# Altium PCB EL2086.PcbDoc (part 2 of 4) (continued)
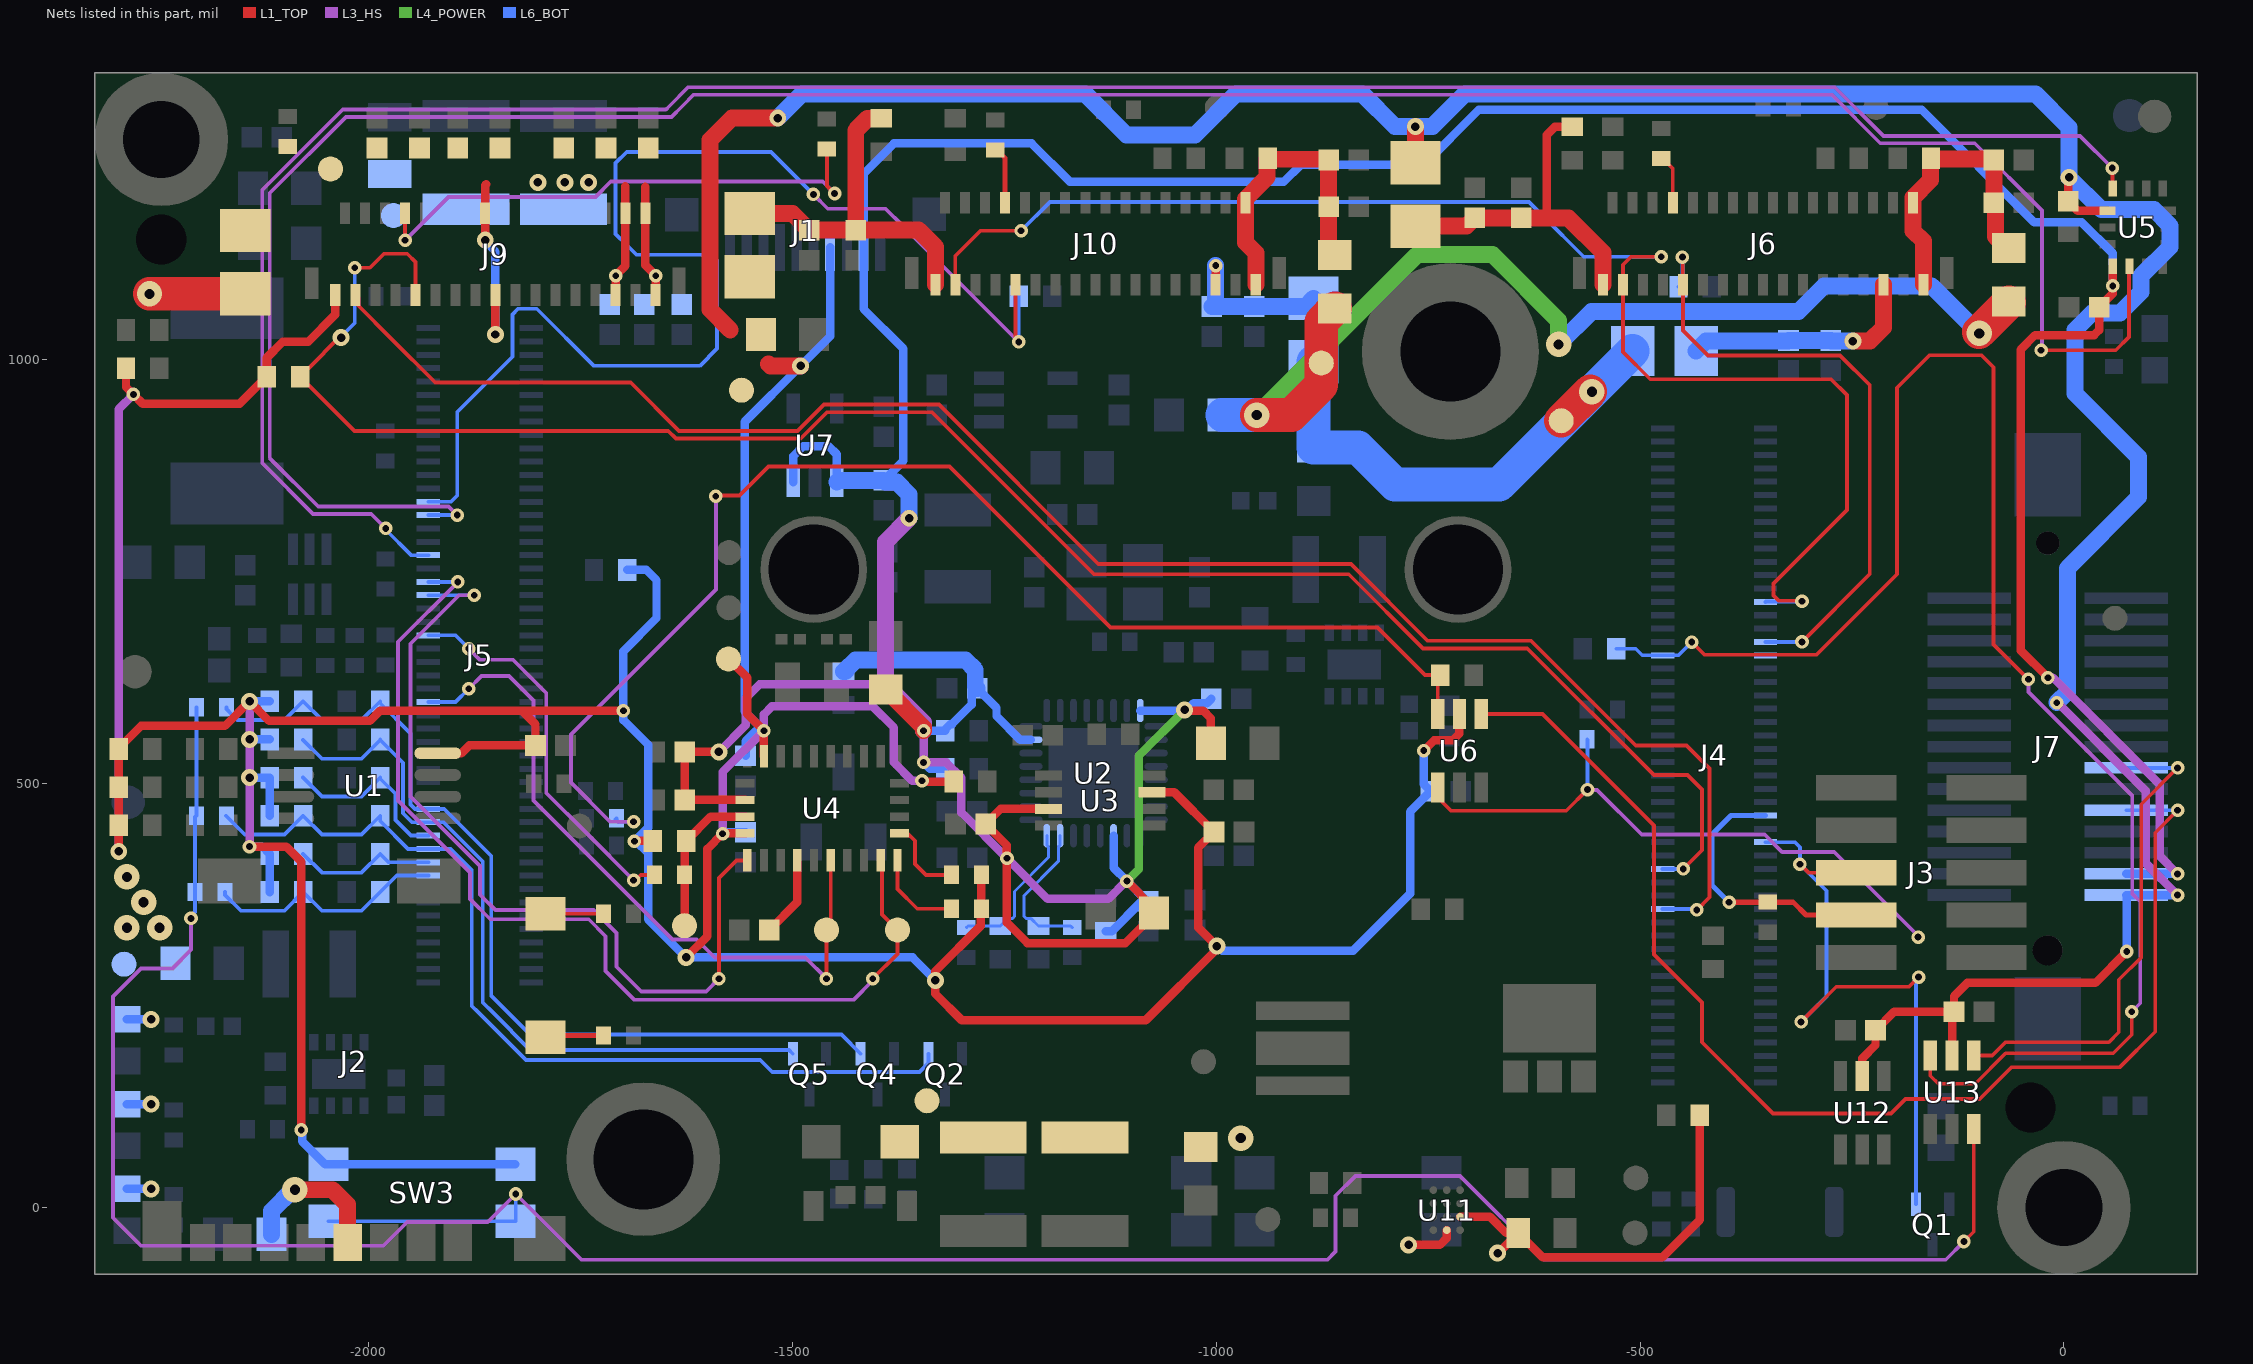
[diagram p6: the nets of this part, all layers, seen from the top]
## Part data (continued)
Q6: library part CMP-074-000000-3, "TRANS PREBIAS NPN 200MW SOT23-3", Case/Package=SOT-23-3, Continuous Drain Current=100mA, Manufacturer 1=Diodes, Max Drain to Source Voltage=50V, Design Item ID=DDTC114YCA-7-F, Manufacturer Part Number 1=DDTC114YCA-7-F
R1 R2 R10 R17 R18 R19 R26 R28 R48 R59 R60 R62 R63 R72 R73 R96 R97 R107 R108 R113 R114 R123 R128 R130: library part CMP-013-000022-11, "RES SMD 0 OHM 5% 1/16W 0402", Case/Package=0402, Manufacturer 1=Vishay, Max Operating Temperature=155°C, Min Operating Temperature=-55°C, Power Rating=63mW, Tolerance=5%, Voltage Rating=50V, Design Item ID=CRCW04020000Z0ED, Manufacturer Part Number 1=CRCW04020000Z0ED
R3 R4 R9 R32: library part CMP-013-000004-10, "RES SMD 1K OHM 1% 1/16W 0402", Case/Package=0402, Manufacturer 1=Yageo, Max Operating Temperature=155°C, Min Operating Temperature=-55°C, Power Rating=62.5mW, Tolerance=1%, Voltage Rating=50V, Design Item ID=RC0402FR-071KL, Manufacturer Part Number 1=RC0402FR-071KL
R5: library part CMP-009-00197-8, "RES SMD 750 OHM 1% 0.1W 0402", Case/Package=0402, Manufacturer 1=Panasonic, Power Rating=100mW, Tolerance=1%, Manufacturer Part Number 1=ERJ-2RKF7500X
R6: library part CMP-009-00198-15, "RES SMD 1.2K OHM 1% 0.063W 0402", Case/Package=0402, Manufacturer 1=Vishay, Power Rating=63mW, Tolerance=1%, Voltage Rating=50V, Manufacturer Part Number 1=CRCW04021K20FKED
R7: library part CMP-009-00196-8, "RES SMD 150 OHM 1% 1/16W 0402", Case/Package=0402, Manufacturer 1=Yageo, Tolerance=1%, Voltage Rating=50V, Manufacturer Part Number 1=RC0402FR-07150RL
R8 R56 R57: library part CMP-013-000029-9, "RES SMD 470 OHM 1% 1/16W 0402", Case/Package=0402, Manufacturer 1=Vishay, Max Operating Temperature=155°C, Min Operating Temperature=-55°C, Power Rating=63mW, Tolerance=1%, Voltage Rating=50V, Design Item ID=CRCW0402470RFKED, Manufacturer Part Number 1=CRCW0402470RFKED
R11 R12 R13 R14 R15 R16 R20 R21 R22 R23 R24 R25 R27 R29 R30 R31 R33 R34 R35 R40 R41 R42 R43 R44 R47 R51 R52 R53 R54 R55 R61 R74 R75 R78 R80 R93 R94 R95 R120 R121 R122 R131: library part CMP-115-000004-8, "RES SMD 10K OHM 1% 1/16W 0402", Case/Package=0402, Manufacturer 1=Yageo, Max Operating Temperature=155°C, Min Operating Temperature=-55°C, Power Rating=62.5mW, Temperature Coefficient=100ppm/°C, Tolerance=1%, Voltage Rating=50V, Design Item ID=RC0402FR-1310KL, Manufacturer Part Number 1=RC0402FR-1310KL
R36 R37: library part CMP-013-000012-8, "RES SMD 22 OHM 1% 1/16W 0402", Case/Package=0402, Manufacturer 1=Yageo, Max Operating Temperature=155°C, Min Operating Temperature=-55°C, Power Rating=62.5mW, Tolerance=1%, Design Item ID=RC0402FR-0722RL, Manufacturer Part Number 1=RC0402FR-0722RL
R38 R39: library part CMP-115-000016-6, "RES SMD 49.9 OHM 1% 1/16W 0402", Case/Package=0402, Manufacturer 1=Yageo, Max Operating Temperature=155°C, Min Operating Temperature=-55°C, Power Rating=62.5mW, Temperature Coefficient=100ppm/°C, Tolerance=1%, Voltage Rating=50V, Design Item ID=RC0402FR-0749R9L, Manufacturer Part Number 1=RC0402FR-0749R9L
R45: library part CMP-013-000005-8, "RES SMD 1M OHM 1% 1/16W 0402", Case/Package=0402, Manufacturer 1=Yageo, Max Operating Temperature=155°C, Min Operating Temperature=-55°C, Power Rating=63mW, Tolerance=1%, Voltage Rating=50V, Design Item ID=RC0402FR-071ML, Manufacturer Part Number 1=RC0402FR-071ML
R46: library part CMP-115-000015-6, "RES SMD 2.49K OHM 1% 1/16W 0402", Case/Package=0402, Manufacturer 1=Yageo, Max Operating Temperature=155°C, Min Operating Temperature=-55°C, Power Rating=62.5mW, Temperature Coefficient=100ppm/°C, Tolerance=1%, Voltage Rating=50V, Design Item ID=RC0402FR-072K49L, Manufacturer Part Number 1=RC0402FR-072K49L
R49 R50: library part CMP-013-000013-8, "RES SMD 2.2K OHM 1% 1/16W 0402", Case/Package=0402, Manufacturer 1=Yageo, Max Operating Temperature=155°C, Min Operating Temperature=-55°C, Power Rating=63mW, Tolerance=1%, Voltage Rating=50V, Design Item ID=RC0402FR-072K2L, Manufacturer Part Number 1=RC0402FR-072K2L
R58 R64 R65 R66 R69 R129: library part CMP-115-000011-7, "RES SMD 0 OHM 5% 1/10W 0603", Case/Package=0603, Manufacturer 1=Vishay, Manufacturer Part Number 1=CRCW0603-0000Z0EA, Max Operating Temperature=155°C, Min Operating Temperature=-55°C, Power Rating=100mW, Temperature Coefficient=100ppm/°C, Tolerance=5%, Voltage Rating=75V, Design Item ID=CRCW06030000Z0EA
R67 R77: library part CMP-013-000049-8, "RES SMD 300K OHM 1% 1/16W 0402", Case/Package=0402, Manufacturer 1=Yageo, Max Operating Temperature=155°C, Min Operating Temperature=-55°C, Power Rating=63mW, Tolerance=1%, Voltage Rating=50V, Design Item ID=RC0402FR-07300KL, Manufacturer Part Number 1=RC0402FR-07300KL
R68: library part CMP-013-000015-9, "RES SMD 47K OHM 1% 1/16W 0402", Case/Package=0402, Manufacturer 1=Yageo, Max Operating Temperature=155°C, Min Operating Temperature=-55°C, Power Rating=62.5mW, Tolerance=1%, Voltage Rating=50V, Design Item ID=RC0402FR-0747KL, Manufacturer Part Number 1=RC0402FR-0747KL
R70: library part CMP-013-000017-11, "RES SMD 56K OHM 1% 1/16W 0402", Case/Package=0402, Manufacturer 1=Yageo, Max Operating Temperature=155°C, Min Operating Temperature=-55°C, Power Rating=62.5mW, Tolerance=1%, Voltage Rating=50V, Manufacturer Part Number 1=RC0402FR-0756KL
R71: library part CMP-009-00229-8, "RES SMD 33K OHM 1% 0.1W 0603", Case/Package=0603, Manufacturer 1=Yageo, Power Rating=100mW, Tolerance=1%, Voltage Rating=75V, Manufacturer Part Number 1=RC0603FR-0733KL, Mounting Technology=SMD, Pins=2
R76: library part CMP-013-000034-9, "RES SMD 0 OHM 1% 1/8W 0805", Case/Package=0805, Manufacturer 1=Vishay, Max Operating Temperature=155°C, Min Operating Temperature=-55°C, Power Rating=125mW, Design Item ID=CRCW08050000Z0EA, Manufacturer Part Number 1=CRCW08050000Z0EA
R79: library part CMP-013-000051-9, "RES SMD 360K OHM 1% 1/16W 0402", Case/Package=0402, Manufacturer 1=Yageo, Max Operating Temperature=155°C, Min Operating Temperature=-55°C, Power Rating=62.5mW, Tolerance=1%, Design Item ID=RC0402FR-07360KL, Manufacturer Part Number 1=RC0402FR-07360KL
R124: library part CMP-013-000011-9, "RES SMD 20K OHM 1% 1/16W 0402", Case/Package=0402, Manufacturer 1=Yageo, Max Operating Temperature=155°C, Min Operating Temperature=-55°C, Power Rating=62.5mW, Tolerance=1%, Voltage Rating=50V, Design Item ID=RC0402FR-0720KL, Manufacturer Part Number 1=RC0402FR-0720KL
R125: library part CMP-013-000035-8, "RES SMD 100K OHM 1% 1/16W 0402", Case/Package=0402, Manufacturer 1=Yageo, Max Operating Temperature=155°C, Min Operating Temperature=-55°C, Power Rating=63mW, Tolerance=1%, Voltage Rating=50V, Design Item ID=RC0402FR-07100KL, Manufacturer Part Number 1=RC0402FR-07100KL
R126: library part CMP-013-000025-8, "RES SMD 33K OHM 1% 1/16W 0402", Case/Package=0402, Manufacturer 1=Vishay, Max Operating Temperature=155°C, Min Operating Temperature=-55°C, Power Rating=63mW, Tolerance=1%, Voltage Rating=50V, Design Item ID=CRCW040233K0FKED, Manufacturer Part Number 1=CRCW040233K0FKED
R127: library part CMP-013-000045-8, "RES SMD 22.1K OHM 1% 1/16W 0402", Case/Package=0402, Manufacturer 1=Yageo, Max Operating Temperature=155°C, Min Operating Temperature=-55°C, Power Rating=62.5mW, Tolerance=1%, Voltage Rating=50V, Design Item ID=RC0402FR-0722K1L, Manufacturer Part Number 1=RC0402FR-0722K1L
SW1 SW2 SW3: library part CMP-011-00016-3, "Keypad Switch, 1 Switches, SPST, Momentary-tactile, 0.05A, 12VDC, 2.65N, Solder Terminal, Surface Mount-right Angle", Current Rating=50mA, Manufacturer 1="Wurth Electronics", Supplier Part Number 1=732-7055-2-ND, Voltage Rating=12V, Case/Package=434331045822, Manufacturer Part Number 1=434331045822, Max Current Rating=50mA, Mounting Technology=SMD, Pins=4, Supplier 1=Digi-Key, Throw Configuration=SPST-NO
TP1 TP2 TP3 TP5 TP13 TP14 TP18 TP19 TP23 TP35: library part TEST_POINT
TP4 TP6 TP7 TP10 TP11 TP12 TP20 TP24 TP25 TP36 TP37: library part CMP-015-000000-2, Manufacturer Part Number 1=/, Design Item ID=TEST_POINT, Source=LuxonisMaster.SchLib
U1: library part 24AA32A-I/MS, "IC EEPROM 32K I2C 400KHZ 8MSOP Memory IC 32Kb (4K x 8) I²C 400kHz 900ns 8-MSOP", Case/Package=MSOP, Frequency=400kHz, Manufacturer 1=Microchip, Max Operating Temperature=85°C, Max Supply Voltage=5.5V, Min Operating Temperature=-40°C, Min Supply Voltage=1.7V, Nominal Supply Current=3mA, Package Quantity=100, Supplier Part Number 1=24AA32A-I/MS-ND, Access Time=3500ns, ComponentLink1Description=https://datasheet.ciiva.com/16309/filehandler-aspxddocname-en011853-16309808.pdf?src-supplier=Future+Electronics, ComponentLink1URL=https://datasheet.ciiva.com/16309/filehandler-aspxddocname-en011853-16309808.pdf?src-supplier=Future+Electronics, ComponentLink2Description=https://datasheet.ciiva.com/16621/21713l-16621382.pdf?src-supplier=Avnet+Europe, ComponentLink2URL=https://datasheet.ciiva.com/16621/21713l-16621382.pdf?src-supplier=Avnet+Europe, ComponentLink3Description=https://datasheet.ciiva.com/3185/21713l-3185209.pdf?src-supplier=Avnet, ComponentLink3URL=https://datasheet.ciiva.com/3185/21713l-3185209.pdf?src-supplier=Avnet, ComponentLink4Description=https://datasheet.ciiva.com/1154/1688094-1154810.pdf?src-supplier=Element14, ComponentLink4URL=https://datasheet.ciiva.com/1154/1688094-1154810.pdf?src-supplier=Element14, ComponentLink5Description=https://datasheet.ciiva.com/41454/001085239-da-01-en-ic-eeprom-32kbit-24aa32a-i-ms-msop-8-mcp-41454934.pdf?src-supplier=Conrad, ComponentLink5URL=https://datasheet.ciiva.com/41454/001085239-da-01-en-ic-eeprom-32kbit-24aa32a-i-ms-msop-8-mcp-41454934.pdf?src-supplier=Conrad, Contact Plating=Tin,Matte, Density=32Kb, Height=0.85mm, Interface=I2C,Serial,2-Wire, Lead Free="Lead Free", Length=3mm, Manufacturer Part Number 1=24AA32A-I/MS, Max Frequency=400kHz, Memory Size=32Kb, Memory Type=EEPROM, Mount="Surface Mount", Number of Pins=8, Packaging=Rail/Tube, Pricing 1="1=0.39000, 25=0.38120, 100=0.36050 (USD)", Radiation Hardening=No, REACH SVHC="No SVHC", RoHS=Yes, Stock 1=4213, Supplier 1=Digi-Key, Supplier 2=Mouser, Supplier 3=Newark, Supplier Part Number 2=579-24AA32A-I/MS, Supplier Part Number 3=38AH9658, Width=3mm
U2: library part RTL8111HS, "IC ETHERNET/PCIe PHY Realtek", Manufacturer 1=Realtek, Manufacturer Part Number 1=RTL8111HS-CG, Supplier 1="Symmetry Electronics", Supplier 2="Future Electronics", Supplier Part Number 1=RTL8111HS-CG, Supplier Part Number 2=RTL8111HS-CG
U3: library part CMP-113-000005-2, "TEXAS INSTRUMENTS - TXS0102DCUR - IC, TRANSLATOR, 2 BIT, BI, US-8", Case/Package=VSSOP, Manufacturer 1="Texas Instruments", Max Operating Temperature=85°C, Max Output Current=1A, Max Supply Voltage=5.5V, Min Operating Temperature=-40°C, Min Supply Voltage=1.65V, Manufacturer Part Number 1=TXS0102DCUR, Pins=8
U4: library part CMP-016-000000-2, "IMU ACCEL/GYRO/MAG I2C 32BIT", Case/Package=LGA, Manufacturer 1="Hillcrest Laboratories", Manufacturer Part Number 1=BNO085, Sensor Type=Accelerometer,Gyroscope,Magnetometer
U5: "Accelerometer, Gyroscope, 6 Axis Sensor IÂ²C, SPI Output", Manufacturer 1="Bosch Sensortec", Package="LGA-14 Bosch Sensortec", Availability=Unavailable, Manufacturer Part Number 1=BMI270, Price=None, SnapEDA_Link=https://www.snapeda.com/parts/BMI270/Bosch%20Sensortec/view-part/3595167/?ref=snap
U6 U12 U13: library part CMP-010-000023-2, "IC SWITCH SPDT SC70-6 1 Circuit IC Switch 2:1 15Ohm SC-70-6", Case/Package=SC, Manufacturer 1="Texas Instruments", Max Operating Temperature=125°C, Min Operating Temperature=-40°C, Manufacturer Part Number 1=SN74LVC1G3157DCKR
U7: library part CMP-113-000003-2, "IC REG LINEAR 1.8V 200MA SC70-5 Linear Voltage Regulator IC  1 Output  200mA SC-70-5", Case/Package=SC, Manufacturer 1="Texas Instruments", Manufacturer Part Number 1=TLV70018DCKR, Max Operating Temperature=125°C, Max Output Current=200mA, Max Output Voltage=1.8V, Max Supply Voltage=5.5V, Min Operating Temperature=-40°C, Min Supply Voltage=2V, Min Output Voltage=1.8V, Pins=5
U8 U10: library part CMP-010-000007-3, "IC REG BUCK ADJ 1.2A SYNC 8WSON", Manufacturer 1="Texas Instruments", Manufacturer Part Number 1=TLV62080DSGR, Max Operating Temperature=125°C, Max Output Current=1.2A, Max Output Voltage=4V, Max Supply Voltage=5.5V, Min Operating Temperature=-40°C, Min Output Voltage=500mV, Min Supply Voltage=2.5V, Output Voltage=4V, Vfb/Vout=0V
U9: library part CMP-055-000001-3, "IC REG LINEAR 2.8V 200MA SC70-5 Linear Voltage Regulator IC  1 Output  200mA SC-70-5", Case/Package=SC, Manufacturer 1="Texas Instruments", Manufacturer Part Number 1=TLV70028DCKT, Max Operating Temperature=125°C, Max Output Current=200mA, Max Output Voltage=2.8V, Max Supply Voltage=5.5V, Min Operating Temperature=-40°C, Min Supply Voltage=2V, Min Output Voltage=2.8V, Pins=5
U11: library part CMP-006-000006-2, "LED Driver, 2-Segment, PBGA12", Manufacturer 1="Texas Instruments", Max Operating Temperature=85°C, Max Supply Voltage=5.5V, Min Operating Temperature=-40°C, Min Supply Voltage=2.5V, Package Body Material=Plastic, Package Code=VFBGA, Package Shape=Rectangular, Package Style="GRID ARRAY, VERY THIN PROFILE, FINE PITCHMeter", Peak Reflow Temperature (Cel)=260°C, Supply Voltage-Nom=3.6V, Temperature Grade=INDUSTRIAL, Category="LED Drivers", ComponentLink1Description=https://www.ti.com:443/lit/ds/symlink/lm3644.pdf?src-supplier=IHS+Markit, ComponentLink1URL=https://www.ti.com:443/lit/ds/symlink/lm3644.pdf?src-supplier=IHS+Markit, ComponentLink2Description=https://datasheet.ciiva.com/48475/lm3644-48475318.pdf?src-supplier=Avnet, ComponentLink2URL=https://datasheet.ciiva.com/48475/lm3644-48475318.pdf?src-supplier=Avnet, Data Input Mode=SERIAL, Design Item ID=LM3644, Height - Seated (Max)=0.625mm, Interface IC Type="LED DISPLAY DRIVER", JESD-609 Code=e1, Length=1.66mm, Manufacturer Part Number 1=LM3644YFFR, Moisture Sensitivity Level=1, Multiplexed Display Capability=No, Number of Functions=1, Number of Pins=12, Number of Segments=2, Pricing 1="1=0,64580, 10=0,63600, 25=0,62590, 100=0,61590, 250=0,60610, 500=0,59600, 1000=0,58600, 3000=0,35000, 30000=0,34520, 300000=0,31610, 1500000=0,29870, 3000000=0,29850 (USD)", REACH SVHC=Yes, RoHS=Yes, RoHS Compliant=Yes, Source=DM9098.SchLib, Stock 1=2033, Surface Mount=Yes, Terminal Finish=Copper, Terminal Form=Ball, Terminal Pitch=0.4mm, Terminal Position=BOTTOM, Width=1.28mm
U22: library part CMP-019-00082-1, "3-V to 16-V input voltage, 4-A FCCM mode, synchronous buck converter in SOT-563 package 6-SOT-5X3 -40 to 125", Case/Package=SOT-563, Frequency=1.2MHz, Manufacturer 1="Texas Instruments", Max Operating Temperature=125°C, Max Output Current=4A, Max Supply Voltage=16V, Min Operating Temperature=-40°C, Min Supply Voltage=3V, Manufacturer Part Number 1=TPS564247DRLR, Pins=6, Vfb/Vout=650mV
X1: library part CMP-006-000002-2, "CRYSTAL 25.0000MHZ 18PF SMD 25MHz ±10ppm Crystal 18pF 50 Ohms 4-SMD, No Lead", Frequency=25MHz, Manufacturer 1="ECS International", Manufacturer Part Number 1=ECS-250-18-36B-CKY-TR
Y1: library part CMP-006-000001-2, "CRYSTAL 32.768kHz ±20ppm Crystal 12.5pF 90 kOhms 2-SMD, No Lead", Case/Package=SMD/SMT, Frequency=32.768kHz, Manufacturer 1=Abracon, Max Operating Temperature=85°C, Min Operating Temperature=-40°C, Tolerance=20ppm, Manufacturer Part Number 1=ABS06-127-32.768KHZ-T

## Free pads (board coordinates)
  round 125.98 hole 106.3 mask+4: 4(-714.57,752.42) 5(-1474.57,752.42)
  round 0 hole 59.06 unplated mask+4: ""(-2244.09,1141.73) ""(-39.37,118.11)
  round 157.48 hole 90.55 mask+4: ""(-2244.09,1259.84) ""(0,0)

## Via types
v1: diameter 16, hole 8, L1_TOP to L6_BOT, tented both sides, 345 vias
v2: diameter 20, hole 10, L1_TOP to L6_BOT, tented both sides, 147 vias
v3: diameter 30, hole 12, L1_TOP to L6_BOT, tented both sides, 34 vias
v4: diameter 20, hole 10, L1_TOP to L6_BOT, 8 vias

## Nets (pads, with @x,y where several pads share a name; then routed paths per layer and width w, separated by ;. In a path a pad name is that pad's centre, name@x,y a point inside that pad or via, vN(x,y) a via of type N, cw(c..) or ccw(c..) an arc to the next point about the centre after c; other vN are vias at no path point)
1V2: FB3.1 FB5.1 R69.2 TP14.1 | length 609.1
  L1_TOP w40: TP14.1@-593,928 v3@-558.74,962.26
  L6_BOT w40: FB5.1@-885,997.6 R69.2@-885,896.5 -832.5,896.5 -789,853 -666.07,853 v3(-556.82,962.26) FB3.1@-508.65,1010.43
1V2_L: C32.2 C33.2 FB3.2 J6.29 | length 282.4
  L1_TOP w20: v2(-249,1022) -229,1022 -213,1038 -213,1088.41 J6.29@-213.08,1088.49
  L6_BOT w20: FB3.2@-433.85,1010.43 -422.27,1022 C32.2@-325.72,1022 ; C32.2@-325,1022.72 C33.2@-275,1022.72 -274.28,1022 v2(-249,1022)
1V2_R: C105.2 C106.2 FB5.2 J10.29 | length 196.7
  L1_TOP w10: J10.29@-1000.48,1088.49 v1(-1000.48,1111)
  L6_BOT w20: v1(-1000.48,1111) -1000.48,1067.24 C106.2@-1005,1062.72 C105.2@-955,1062.72 -894.68,1062.72 FB5.2@-885,1072.4
1V8: C2.2 C19.2 C25.2 C26.2 C31.2 C38.2 C39.2 C50.2 FB1.1 FB2.1 J1.7 J7.30 J9.1 R11.2 R12.2 R13.2 R14.2 R15.2 R16.2 R27.2 R29.2 R30.2 R31.2 R44.1 R47.2 R49.1 R50.1 R64.2 R93.1 R94.1 SW3.1 SW3.3 TP18.1 TP24.1 U1.8 U3.3 U4.5 U4.28 U5.5 U6.5 U12.5 U13.5 | length 10367.9
  L1_TOP w10: v2(-2294.25,420) R31.2@-2294.25,450.81 R30.2@-2294.25,495.81 -2294.25,542.78 -2288.43,548.6 -2287.4,548.6 -2268,568 -2169.11,568 v2(-2140,597.11) -2116.89,574 -1998,574 -1986,586 -1818.71,586 ; R94.1@-2285.69,990 -2285.69,967.69 v1(-2277,959) -2266,948 -2151.69,948 R93.1@-2119.69,980 -2119.69,1002.31 -2101,1021 -2071,1021 -2038.89,1053.11 J9.1@-2038.89,1076.4 ; v1(-2140,425.75) -2096.75,425.75 -2079,408 v1(-2079,91.5) ; U1.8@-1917.95,535.81 -1890.01,535.81 -1880.81,545 C2.2@-1802.71,545 -1802.71,570 -1818.71,586 ; v1(-1699,586) -1818.71,586 ; v1(-1686,432) -1685.58,432.42 R47.2@-1664.25,432.42 ; v2(-1625,295) -1600,320 -1600,423 v1(-1582,441) -1581.62,441.38 U4.5@-1555.45,441.38 ; TP24.1@-1575,647 -1553,625 -1553,582.11 v1(-1533.31,562.42) U4.28@-1533.31,532.42 ; v1(-1346.89,503.3) -1346.01,502.42 R44.1@-1309.25,502.42 ; R50.1@-1276.85,392.42 R49.1@-1276.85,352.42 -1277.55,351.72 -1277.55,332.45 -1331,279 v2(-1331,268) -1331,252 -1300,221 -1083,221 -999,305 v2(-999,308.28) -1021,330.28 -1021,424.54 C19.2@-1002.54,443 -1049.39,489.84 U3.3@-1075.67,489.84 ; v1(-755,539) -743,551 -721,551 -713,559 U6.5@-713,582.12 ; U12.5@-238,155.31 -238,176 -222.28,191.72 C50.2@-222.28,209 -200.28,231 C39.2@-129.72,231 ; U13.5@-132,179.31 -132,228.72 C39.2@-129.72,231 ; v2(6,1215) 5,1214 C31.2@5,1186.72 16.03,1175.69 U5.5@51.15,1175.69 ; v1(74,302) 37,265 -114,265 -129.72,249.28 C39.2@-129.72,231
  L1_TOP w20: -1573,1035 -1597,1059 -1597,1259 -1571,1285 v2(-1517,1285) ; -1528,995 -1525.75,992.75 v2(-1490,992.75) ; FB2.1@-765,1232.4 v2(-765,1275)
  L3_HS w10: v2(-2294.25,420) -2294.25,941.75 v1(-2277,959) ; v1(-2140,425.75) v2(-2140,507.11) v2(-2140,597.11) ; v1(-1582,441) -1582,513.73 v1(-1533.31,562.42) -1533.31,581.69 -1524,591 -1405,591 -1380,566 -1380,525 -1358.3,503.3 v1(-1346.89,503.3) ; v1(-8.52,595.48) -7.48,595.48 96.5,491.5 96.5,406.08 v1(134,368.58)
  L6_BOT w10: v2(-2140,507.11) R13.2@-2116.17,507.11 R14.2@-2116.17,462.11 ; v2(-2140,552.11) R12.2@-2116.17,552.11 ; v2(-2140,597.11) R11.2@-2116.17,597.11 ; v1@-2139.75,425.75 -2124.81,425.75 R15.2@-2116.17,417.11 R16.2@-2116.17,372.11 ; v1(-2079,91.5) -2077.85,90.35 -2077.85,78 -2050.74,50.89 SW3.3@-1826.33,50.89 ; R27.2@-1694.31,752 -1672,752 -1660,740 -1660,695.15 -1699,656.15 v1(-1699,586) -1699,575 -1670,546 -1670,447.96 -1685.96,432 -1684,432 -1670,418 -1670,340 v2(-1625,295) -1358,295 v2(-1331,268) ; v1(-1582,441) -1580.28,442.72 C25.2@-1555,442.72 ; C26.2@-1555,532.72 -1555,550 -1542.58,562.42 v1(-1533.31,562.42) -1556,585.11 -1556,926.75 v2(-1490,992.75) -1455.2,1027.55 J1.7@-1455.2,1132.42 ; v2(-999,308.28) -999,309 -993,303 -838.26,303 -771,370.26 -771,467 C38.2@-747,491 -755,499 v1(-755,539) ; J7.30@73.35,368.58 J7.30@78.73,368.58 ; v1(74,302) J7.30@74,367.94 ; J7.30@80.62,368.58 v1(134,368.58)
  L6_BOT w20: v2(-1517,1285) -1488.42,1313.58 -1154.28,1313.58 -1105.7,1265 -1025,1265 -976.42,1313.58 -827.58,1313.58 -789,1275 v2(-765,1275) -745,1275 -706.42,1313.58 -33.58,1313.58 6,1274 v2(6,1215) 44,1177 106,1177 125,1158 125,1133 91,1099 91,1080 66,1055 33,1055 13,1035 13,960 88,885 88,838 4,754 4,608 v1(-8.52,595.48)
1V8_L: C34.2 C35.2 FB2.2 J6.1 R51.2 | length 412.1
  L1_TOP w10: -609.15,1167.23 -610,1168.08 -610,1265 -600.31,1274.69 R51.2@-580,1274.69
  L1_TOP w20: FB2.2@-765,1157.6 -704.64,1157.6 C34.2@-695,1167.23 C35.2@-640,1167.23 -609.15,1167.23 -584.64,1167.23 -543.79,1126.39 J6.1@-543.79,1088.49
1V8_R: C107.2 C108.2 FB1.2 J10.1 R120.2 | length 433.4
  L1_TOP w20: FB1.2@-1550,1172.4 -1499.69,1172.4 C107.2@-1480,1152.72 C108.2@-1425,1152.72 ; R120.2@-1395,1284.69 -1410.88,1284.69 -1425,1270.57 C108.2@-1425,1152.72 ; J10.1@-1331.19,1088.49 -1331.19,1133.19 -1350.72,1152.72 C108.2@-1425,1152.72
2V8: R58.1 R65.2 R129.1 TP19.1 | length 1320.5
  L1_TOP w40: v3(-952,934.7) -911.3,934.7 -876,970 TP19.1@-876,996 -876,1044.62 R129.1@-860,1060.62 ; v3@-100,1032.7 R58.1@-65,1067.7
  L4_POWER w20: v3(-952,934.7) -762.7,1124 -674,1124 -596,1046 v3(-596,1018)
  L6_BOT w20: v3(-596,1018) -557,1057 -313,1057 -283,1087 -156,1087 v3(-100,1031)
  L6_BOT w40: R65.2@-992.61,934.7 v3(-952,934.7)
2V8_L: C36.2 C37.2 J6.32 J6.33 R52.2 R58.2 | length 350.2
  L1_TOP w20: J6.33@-165.84,1088.49 -165.84,1139.84 -177.94,1151.94 -177.94,1191.06 -157.25,1211.75 -157.25,1237.05 R52.2@-156.88,1237.42 -156.88,1237.26 -156.05,1236.44 -83.7,1236.44 C37.2@-82.72,1235.45 C36.2@-82.72,1185.13 -80.51,1182.93 -80.51,1145.04 -66.97,1131.5 R58.2@-65,1131.5
2V8_R: C109.2 C110.2 J10.32 J10.33 R121.2 R129.2 | length 352.4
  L1_TOP w20: J10.33@-953.24,1088.49 -953,1088.73 -953,1126 -965.34,1138.34 -965.34,1189.66 -939.71,1215.29 -939.71,1236.59 R121.2@-938.88,1237.42 -938.88,1237.25 -938.05,1236.42 -868.28,1236.42 C110.2@-867.28,1235.42 -867.28,1130.9 R129.2@-860,1123.61
3V3: C1.1 C3.2 C4.2 C7.2 C8.2 C11.2 C12.2 C20.2 C23.2 C24.2 C30.2 C40.2 D4.2 D18.2 D19.2 FB4.1 J1.9 J2.4 J7.29 R40.2 R41.2 R42.2 R43.2 R66.2 TP5.1 U2.11 U2.23 U2.32 U3.7 U4.3 U5.8 U7.1 U7.3 | length 6155.7
  L1_TOP w10: v2(-1586.36,537.42) C24.2@-1626.85,537.42 C23.2@-1626.85,480.75 U4.3@-1555.45,480.75 ; U3.7@-1197.72,470.16 -1254.11,470.16 C20.2@-1271.85,452.42 -1246.65,427.22 v1(-1246.65,411.96) -1246.65,336.12 -1222.53,312 -1107,312 -1086.26,332.74 -1085.79,332.74 -1073.07,345.45 -1073.07,352.87 v1(-1105.2,385) ; v2(-1037,587) -1036,586 -1015.06,586 -1006.06,577 C8.2@-1006.06,547.42 ; v1(-19,625) -51,657 -51,1012 -34,1029 35.58,1029 41.43,1034.86 C30.2@41.43,1062 57.47,1078.04 v1(57.47,1086.96) 57.47,1110.15 U5.8@57.55,1110.23
  L1_TOP w20: v3(-2086.47,21) -2042,21 -2024.35,3.35 J2.4@-2024.35,-41.18 ; C3.2@-1389.57,610.93 -1345,566.36 v1(-1345,562.42)
  L1_TOP w39.37: v3(-2258,1077.6) FB4.1@-2145,1077.6
  L3_HS w10: v2(-1586.36,537.42) -1555,568.78 -1555,600.54 -1538.54,617 -1390,617 ; v1(-1345,562.42) v1(-1345,525) -1318.5,525 -1300.44,506.94 -1300.44,465.75 v1(-1246.65,411.96) -1198.69,364 -1126.96,364 -1105.96,385 v1(-1105.2,385) ; v1(-19,625) -13,625 113,499 113,414.58 v1(134,393.58)
  L3_HS w20: v2(-1362,813) -1390,785 -1390,617 -1364,591 -1345,572 v1(-1345,562.42)
  L4_POWER w10: v1(-1105.2,385) -1091,399.2 -1091,533 v2(-1037,587)
  L6_BOT w10: D4.2@-2284.57,22.03 v2(-2256,22.03) ; D18.2@-2284.57,122.03 v2(-2256,122.03) ; D19.2@-2284.57,222.03 v2(-2256,222.03) ; U7.3@-1498.59,855.69 -1498.59,886.41 -1487,898 -1457,898 -1447.41,888.41 U7.1@-1447.41,855.69 ; C40.2@-1392,857.72 -1369,880.72 -1369,1013 -1415.83,1059.83 J1.9@-1415.83,1132.42 -1415.83,1219.17 -1380,1255 -1217.56,1255 -1172.56,1210 -920,1210 -900,1230 -755,1230 -690.42,1294.58 -167.58,1294.58 -35,1162 21,1162 57.47,1125.53 v1(57.47,1086.96) ; v1(-1345,525) -1337.42,517.42 R43.2@-1319.25,517.42 ; v1(-1345,562.42) R41.2@-1319.25,562.42 -1319.25,564.39 -1313.43,570.22 -1311.46,570.22 -1288.36,593.31 -1288.36,610.32 C12.2@-1284.05,614.63 ; C12.2@-1281.85,612.42 -1259,589.57 -1259,579.67 -1231.13,551.79 U2.23@-1218.39,551.79 ; R42.2@-1130,325.77 -1123.13,325.77 -1087.69,361.2 C11.2@-1081.4,361.2 ; U2.11@-1120.94,438.6 -1120.94,400.75 v1(-1105.2,385) C11.2@-1081.4,361.2 ; U2.32@-1089.45,586.24 -1037.76,586.24 v2(-1037,587) -1034.29,587 -1026.5,594.79 -1010.93,594.79 C4.2@-1005.73,600 ; C11.2@-1080,361.2 C11.2@-1081.4,361.2 ; J7.29@73.35,393.58 v1(134,393.58)
  L6_BOT w20: C1.1@-2114.07,-31.58 -2114.07,-4.07 -2089,21 v3(-2086.47,21) ; U7.1@-1447.41,855.69 -1445.39,857.72 C40.2@-1392,857.72 -1389.8,855.51 -1376.51,855.51 -1362,841 v2(-1362,813) ; R40.2@-1439.57,632.11 -1437.6,632.11 -1436.77,632.93 -1436.77,634.28 -1425.06,646 -1295.77,646 -1284.05,634.28 -1284.05,614.63 C12.2@-1281.85,612.42
  other v3: -2284.57,330 -2246,330 -2265,360 -2284.57,390
3V3_TOF: C56.2 C57.2 C58.2 C59.2 FB4.2 J9.16 J9.17 R63.1 TP20.1 | length 229.4
  L1_TOP w10: v2(-1862,1141) J9.16@-1862.02,1172.85 -1862.02,1205.98 -1861,1207 ; v2(-1850,1029.7) -1849.92,1029.79 J9.17@-1849.92,1076.4
  L6_BOT w10: v2(-1862,1141) -1862,1139.46 -1850,1127.46 v2(-1850,1029.7)
3V3_VCSEL: C60.2 C61.2 C62.2 C63.2 C64.2 C65.2 C66.1 C67.1 J9.29 J9.30 J9.32 J9.33 R76.2 TP35.1 | length 265.6
  L1_TOP w10: J9.29@-1708.18,1076.4 v1(-1708.18,1098.9) -1708.18,1099.32 -1696.67,1110.84 J9.30@-1696.67,1172.85 -1696.67,1204.67 ; -1673.05,1203.95 J9.32@-1673.05,1172.85 -1673.05,1111.43 -1660.94,1099.32 v1(-1660.94,1098.9) J9.33@-1660.94,1076.4
  other v2: -1800,1209 -1768,1209 -1740,1209
5V_LED: C77.2 C81.1 C82.1 C83.2 L4.2 R77.2 TP4.1 U11.A2 U11.B1 | length 537.3
  L1_TOP w10: v2(-773,-44) -736,-44 -728,-36 U11.A2@-728,-26.62 ; U11.B1@-712.25,-10.87 -677.13,-10.87 -658,-30 C77.2@-643.56,-30 ; v2(-668,-53.74) -668,-54.44 C77.2@-643.56,-30 ; R77.2@-429.57,109 -429.57,-14.57 -473.74,-58.74 -614.82,-58.74 C77.2@-643.56,-30
  other v3: -971,82
2485_PGOOD: J3.5 J4.37 Q1.1 | length 774.7
  L1_TOP w4.5: v1(-311.42,405) -301.42,395 J3.5@-245,395 ; v1(-310,219) -268.5,260.5 -197,260.5 -182.83,260.5 v1(-171.48,271.85)
  L6_BOT w4.5: J4.37@-352.09,430.88 -317.29,430.88 -311.42,425 v1(-311.42,405) -280,373.58 -280,249 v1(-310,219) ; Q1.1@-174.69,4.02 -174.69,76.06 -174.69,268.65 v1(-171.48,271.85)
2485_WAKEUP: J3.7 J4.41 R9.1 | length 316.6
  L1_TOP w6: v1(-395,360.14) R9.1@-349.57,360.14 -347.6,360.14 -319.42,360.14 -304.28,345 J3.7@-245,345
  L6_BOT w6: v1(-395,360.14) -415,380.14 -415,440 -392.63,462.37 J4.41@-352.09,462.37
BMI270_INT_1V8: J5.66 U5.4 | length 2860
  L1_TOP w4.5: v1(57,1226) 57.27,1225.73 57.27,1202.04 U5.4@57.55,1201.77
  L3_HS w4.5: v1(-1979.4,800.96) -1996.44,818 -2065,818 -2125,878 -2125,1200 -2030,1295 -1649,1295 -1645,1299 -1622.67,1321.33 -270.33,1321.33 -213,1264 19,1264 v1(57,1226)
  L6_BOT w4.5: v1(-1979.4,800.96) -1979.4,799.4 -1949.46,769.46 J5.66@-1929.05,769.46
BMI270_WAKE_1V8: J5.72 U5.9 | length 3149.6
  L1_TOP w4.5: v1(-27,1011.1) 61.1,1011.1 76.62,1026.62 76.62,1109.62 U5.9@77.23,1110.23
  L3_HS w4.5: v1(-1895,816.7) -1905.3,827 -2059,827 -2116.25,884.25 -2116.25,1196.38 -2026.38,1286.25 -1642.42,1286.25 -1629.67,1299 -1616.08,1312.58 -273.96,1312.58 -216.62,1255.25 -105.25,1255.25 -26,1176 -26,1012.1 v1(-27,1011.1)
  L6_BOT w4.5: J5.72@-1929.05,816.7 v1(-1895,816.7)
BNO08x_BOOTN_1V8: J5.54 R48.2 | length 458.2
  L1_TOP w4.5: v1(-1687,386) -1684.99,386 -1678.57,392.42 R48.2@-1662.28,392.42
  L3_HS w4.5: v1(-1881.5,659.22) -1868.27,646 -1829,646 -1790,607 -1790,489 -1742,441 v1(-1687,386)
  L6_BOT w4.5: J5.54@-1929.05,674.97 -1897.24,674.97 v1(-1881.5,659.22)
BNO08x_BOOTN_1V8_1: R47.1 R48.1 TP10.1 U4.4 | length 182.1
  L1_TOP w10: TP10.1@-1626.85,332.42 R48.1@-1626.85,392.42 -1626.85,430.45 R47.1@-1624.88,432.42 -1596.24,461.06 U4.4@-1555.45,461.06
BNO08x_INT_1V8: J5.62 TP12.1 U4.14 | length 1192.8
  L1_TOP w4.5: v1(-1405,270) -1375.83,299.17 TP12.1@-1375.83,327.42 -1394,345.59 -1394,407.88 U4.14@-1395.51,409.39
  L3_HS w4.5: v1(-1894.3,737.96) -1965,667.26 -1965,480 -1880,395 -1880,364 -1856,340 -1740,340 -1720.02,320.02 -1720.02,279.02 -1686,245 -1532.54,245 -1427.71,245 -1405,267.71 v1(-1405,270)
  L6_BOT w4.5: J5.62@-1929.05,737.96 v1(-1894.3,737.96)
BNO08x_RSTn_1V8: J5.44 TP11.1 U4.11 | length 840.7
  L1_TOP w4.5: v1(-1459.57,270) TP11.1@-1459.57,327.42 -1454.57,332.42 U4.11@-1454.57,409.39
  L3_HS w4.5: v1(-1881.5,611.98) -1866.48,627 -1834,627 -1805,598 -1805,480 -1742,417 -1641.28,316.28 -1612.55,316.28 -1591.27,295 -1484.57,295 v1(-1459.57,270)
  L6_BOT w4.5: J5.44@-1929.05,596.23 -1897.24,596.23 v1(-1881.5,611.98)
BNO08x_WAKE_1V8: J5.60 U4.6 | length 1001.8
  L1_TOP w4.5: v1(-1586.36,270) -1586.36,388.64 -1565.61,409.39 U4.6@-1552.99,409.39
  L3_HS w4.5: v1(-1875,722.22) -1892.78,722.22 -1950,665 -1950,485 -1868,403 -1868,369 -1850,351 -1734,351 -1707,324 -1707,284 -1678,255 -1601.36,255 v1(-1586.36,270)
  L6_BOT w4.5: J5.60@-1929.05,722.22 v1(-1875,722.22)
BOOT0/LED_B: J5.26 Q5.1 R12.1 R21.2 | length 882
  L6_BOT w4.5: R12.1@-2076.8,551.4 -2054.69,529.29 -2007.91,529.29 R21.2@-1985.8,551.4 ; R21.2@-1985.8,552.11 R21.2@-1985.8,551.4 ; Q5.1@-1499.25,181.44 -1503.81,186 -1809,186 -1853,230 -1865,242 -1865,408.11 -1911.39,454.5 J5.26@-1929.05,454.5 -1948.5,454.5 -1959,465 -1959,524.6 R21.2@-1985.8,551.4
BOOT1: J5.24 R13.1 R22.2 | length 213.3
  L6_BOT w4.5: R13.1@-2076.8,507.11 -2054.69,485 -2007.91,485 R22.2@-1985.8,507.11 -1985.8,505.8 -1968,488 -1968,457 -1949.75,438.75 J5.24@-1929.05,438.75
BOOT2/LED_R: J5.22 Q2.1 R14.1 R18.1 R23.2 | length 1102.9
  L6_BOT w4.5: R18.1@-2167.8,462.11 -2145.69,440 -2098.91,440 R14.1@-2076.8,462.11 -2054.69,440 -2007.91,440 R23.2@-1985.8,462.11 -1985.8,455.8 -1953,423 J5.22@-1929.05,423 -1903,423 -1878,398 -1878,238 -1870,230 -1814,174 -1537.56,174 -1523.56,160 -1350,160 -1339.25,170.75 Q2.1@-1339.25,181.44
BOOT3: J5.20 R15.1 R24.2 | length 170.1
  L6_BOT w4.5: R15.1@-2076.8,417.11 -2054.69,395 -2007.91,395 R24.2@-1985.8,417.11 -1975.95,407.25 J5.20@-1929.05,407.25
BOOT4: J5.18 R16.1 R17.1 R25.2 | length 286.3
  L6_BOT w4.5: R17.1@-2168.77,372.11 -2168.77,368.77 -2150,350 -2098.91,350 R16.1@-2076.8,372.11 -2054.69,350 -2007.91,350 R25.2@-1985.8,372.11 -1966.4,391.51 J5.18@-1929.05,391.51
BOOT7/LED_G: J5.28 Q4.1 R11.1 R19.1 R20.2 | length 1102
  L6_BOT w4.5: R19.1@-2167.28,590 -2167.28,588.03 -2160.93,581.67 -2154.25,575 -2098.91,575 R11.1@-2076.8,597.11 -2054.69,575 -2007.91,575 R20.2@-1985.8,597.11 -1985.8,594.8 -1950,559 -1950,475.4 -1944.85,470.25 J5.28@-1929.05,470.25 -1910.25,470.25 -1855,415 -1855,250 -1809,204 -1441.81,204 Q4.1@-1419.25,181.44
BOOT/WS: J7.24 U13.4 | length 583.7
  L1_TOP w4.3: U13.4@-106.41,179.31 -84.69,179.31 -69,195 53,195 64.67,206.67 64.67,268.67 91,295 91,475.58 v1(134,518.58)
  L6_BOT w4.5: J7.24@73.35,518.58 v1(134,518.58)
BOOT/WS_SEL: J4.66 R74.2 U13.6 | length 1894.3
  L1_TOP w4.3: U13.6@-157.59,179.31 -157.59,155.59 -148,146 -104.74,146 -68.84,181.9 58.16,181.9 80,203.74 v1(80,231)
  L1_TOP w4.5: v1(-439,667) -424,652 -292,652 -197,747 -197,967 -158.75,1005.25 -97.1,1005.25 -83,991.15 -83,664 v1(-42,623)
  L3_HS w4.5: v1(-42,623) -42,608 80.62,485.38 80.62,370 90,360.62 90,241 v1(80,231)
  L6_BOT w4.5: R74.2@-528,659 -505,659 -497.35,651.35 -454.65,651.35 v1(-439,667)
BOOT_SW: R17.2 R18.2 R19.2 SW3.2 SW3.4 U13.3 | length 3437.9
  L1_TOP w4.3: v1(-118,-40) -106.41,-28.41 U13.3@-106.41,92.69
  L3_HS w4.5: v1(-2209,341) -2209,304 -2231,282 -2268,282 -2301,249 -2301,-12 -2268,-45 -1982,-45 -1954,-17 -1859,-17 v1(-1826,16) -1748.51,-61.49 -868.54,-61.49 -859,-51.95 -859,14 -835.75,37.25 -712.25,37.25 -613.51,-61.49 -139.49,-61.49 v1(-118,-40)
  L6_BOT w4.5: v1(-2209,341) -2209,343.98 -2204.2,348.77 -2204.2,460.62 R18.2@-2202.72,462.11 R19.2@-2202.72,590 ; SW3.2@-2046.8,-16.04 SW3.4@-1826.33,-16.04 -1826.01,-15.72 v1(-1826,16)
CAM_A_CLK_OUT: J4.28 J9.3 | length 2073.6
  L1_TOP w4.5: J9.3@-2015.27,1076.4 -2011.62,1072.74 -2011.62,1063.62 -1973,1025 -1921,973 -1690.46,973 -1633.46,916 -1493.54,916 -1462.54,947 -1327,947 -1139,759 -841,759 -750.5,668.5 -628.5,668.5 -505,545 -445,545 -418,518 -418,366 v1(-433,351)
  L6_BOT w4.5: J4.28@-473.35,352.14 -434.14,352.14 v1(-433,351)
CAM_A_PWDN_N: J4.34 J9.9 R93.2 | length 2286.8
  L1_TOP w4.5: v2(-2032,1026) -2034.32,1026 -2070.02,990.3 -2071.99,990.3 -2080.31,981.97 R93.2@-2080.31,980 -2016.31,916 -1646.18,916 -1637.18,907 -1489.82,907 -1458.82,938 -1335,938 -1144,747 -843.5,747 -756,659.5 -633.09,659.5 -483.59,510 -444,510 -427,493 -427,421.38 v1(-449,399.38) ; v1(-2016,1108.47) -1998.1,1108.47 -1981.57,1125 -1954,1125 -1944.41,1115.41 J9.9@-1944.41,1076.4
  L6_BOT w4.5: v2(-2032,1026) -2032,1027 -2016,1043 v1(-2016,1108.47) ; J4.34@-473.35,399.38 v1(-449,399.38)
CAM_B_CLK_OUT: J4.73 J6.3 J10.3 | length 1708.7
  L1_TOP w4.5: J10.3@-1307.57,1088.49 -1307.57,1122.43 -1278,1152 v1(-1230,1152) ; v1(-475,1121.44) -510.65,1121.44 -520.17,1111.93 J6.3@-520.17,1088.49 -520.17,1009.17 -488,977 -274.67,977 -256,958.33 -256,822.6 -342.5,736.1 -342.5,721.93 -336.16,715.59 -309.59,715.59 v1(-309,715)
  L6_BOT w4.5: v1(-1230,1152) -1195.98,1186.02 -916,1186.02 -631.02,1186.02 -614.96,1169.96 -566.44,1121.44 v1(-475,1121.44) ; J4.73@-352.09,714.34 -351.76,714.67 -309.33,714.67 v1(-309,715)
CAM_B_D_PWM: J4.65
CAM_B_PWDN_N: J4.67 J6.9 R61.2 | length 750
  L1_TOP w4.5: v1(-450,1121) -449.65,1120.65 -449.65,1088.84 J6.9@-449.3,1088.49 -449.3,1034.3 -420,1005 -264,1005 -229,970 -229,747.1 v1(-309,667.1)
  L6_BOT w4.5: R61.2@-454.69,1086 -450,1090.69 v1(-450,1121) ; J4.67@-352.09,667.1 v1(-309,667.1)
CAM_R_PWM: J5.74 J10.9 R55.2 | length 1566.4
  L1_TOP w4.5: v1@-1236.7,1027.91 J10.9@-1236.7,1088.49
  L3_HS w4.5: v1(-1475,1195) -1458,1178 -1389.76,1178 -1370,1158.24 -1281.76,1070 v1(-1232.76,1021)
  L6_BOT w4.5: J5.74@-1929.05,832.45 -1902.55,832.45 -1895,840 -1895,938.4 -1830,1003.4 -1830,1053.31 -1823.31,1060 -1801.16,1060 -1733.91,992.75 -1608.89,992.75 -1588.5,1013.14 -1588.5,1117.19 -1595.17,1123.86 -1605,1123.86 -1683.74,1123.86 -1695.59,1135.71 -1708.18,1148.3 -1708.18,1200.41 -1708.18,1231.82 -1695,1245 -1525,1245 v1(-1475,1195) ; v1(-1232.76,1021) R55.2@-1232.76,1075
CAP: C27.1 U4.9 | length 95.6
  L1_TOP w10: C27.1@-1526.85,327.42 -1493.94,360.33 U4.9@-1493.94,409.39
CD_SW1: J2.9 R1.2 | length 69.2
  L1_TOP w6: J2.9@-1790.69,200.94 -1788.63,203 R1.2@-1722.36,203
CD_SW2: J2.10 R2.2 | length 68.3
  L1_TOP w4.3: J2.10@-1790.69,346.61 R2.2@-1722.43,346.61
CLK_N: R37.2 R39.2 U2.16 | length 175.1
  L6_BOT w3.5: R39.2@-1294.57,330.14 -1292.6,332.11 R37.2@-1254.57,332.11 -1245.49,341.18 -1239.87,341.18 -1237.82,343.23 -1237.82,372.83 -1197.56,413.09 -1197.56,425.45 -1199.68,427.58 U2.16@-1199.68,438.6
CLK_P: R36.2 R38.2 U2.15 | length 175.1
  L6_BOT w3.5: U2.15@-1183.94,438.6 -1183.94,427.58 -1186.06,425.45 -1186.06,408.32 -1226.32,368.07 -1226.32,343.23 -1224.27,341.18 -1218.64,341.18 R36.2@-1209.57,332.11 -1171.54,332.11 R38.2@-1169.57,330.14
ENV_SCL: R49.2 U4.15 | length 106.8
  L1_TOP w4.5: U4.15@-1375.83,409.39 -1375.83,375.83 -1352.42,352.42 R49.2@-1312.28,352.42
ENV_SDA: R50.2 U4.16 | length 97.3
  L1_TOP w4.5: U4.16@-1373.37,441.38 -1363.8,441.38 -1355,432.58 -1355,405.38 -1342.04,392.42 R50.2@-1312.28,392.42
EXT_FSYNC_1V8: R107.2 U6.1 | length 728.1
  L1_TOP w4.5: U6.1@-738.59,495.51 -738.59,483.75 -722.84,468 -587,468 v1(-562,493)
  L3_HS w4.5: v1(-562,493) -561.57,492.57 -550.57,492.57 -498,440 -352.88,440 -332.38,419.5 -270.98,419.5 -172,320.52 v1(-172,319)
  L6_BOT w4.5: R107.2@-562.28,552.42 -561.59,551.73 -562,551.32 v1(-562,493)
FSIN1: J6.8 R62.1 | length 59.1
  L1_TOP w4.5: R62.1@-475,1237.28 -473.03,1237.28 -461.41,1225.66 -461.41,1200 J6.8@-461.41,1184.95
FSIN2: J10.8 R123.1 | length 68.3
  L1_TOP w6: R123.1@-1260.32,1247.28 -1258.36,1247.28 -1248.81,1237.73 -1248.81,1203 J10.8@-1248.81,1184.95
FSIN3: J9.8 R96.1 | length 629.1
  L1_TOP w4.5: v1(-1956.51,1140.78) J9.8@-1956.51,1172.85 ; R96.1@-1459,1248.28 -1459,1205 v1(-1450,1196)
  L3_HS w4.5: v1(-1956.51,1140.78) -1905.29,1192 -1732,1192 -1714,1210 -1605,1210 -1464,1210 v1(-1450,1196)
FSYNC/SD0: J7.26 U6.4 | length 1479.5
  L1_TOP w4.3: -343,111 -204,111 -197,118 -187,128 -99.26,128 -63.26,164 -61.96,165.3 65.56,165.3 107.6,207.34 107.6,442.18 v1(134,468.58)
  L1_TOP w4.5: U6.4@-687.41,582.12 -615.12,582.12 -483.59,450.59 -483.59,298.49 -427,241.9 -427,195 -343,111
  L6_BOT w4.5: J7.26@73.35,468.58 v1(134,468.58)
FSYNC/SD0_SEL: R80.2 R108.1 U6.6 | length 1545.7
  L1_TOP w4.5: v1(-1590,839) -1589,840 -1562,840 -1528,874 -1314.46,874 -1124.46,684 -809.73,684 -753.73,628 R80.2@-735.69,628 -738.59,625.09 U6.6@-738.59,582.12 U6.6@-740,583.53
  L3_HS w4.5: v1(-1687,455) -1714.75,455 -1761,501.25 -1761,558 -1590,729 v1(-1590,839)
  L6_BOT w4.5: R108.1@-1707.28,459 -1708.28,458 -1704.98,454.7 -1704.68,455 v1(-1687,455)